# Altium PCB MPPT.PcbDoc (part 1 of 2)
Units mil, origin at the board's own origin, x right, y up, seen from the top; angles counter-clockwise.
Board outline 7295 x 4725 mil, 4 copper layers (Top, PWR_GND, GND, Bottom), stack 23.712 mil thick; 127 components, 78 nets, 435 pads, 134 vias.
Unrouted connection lines stored in the file: 11.
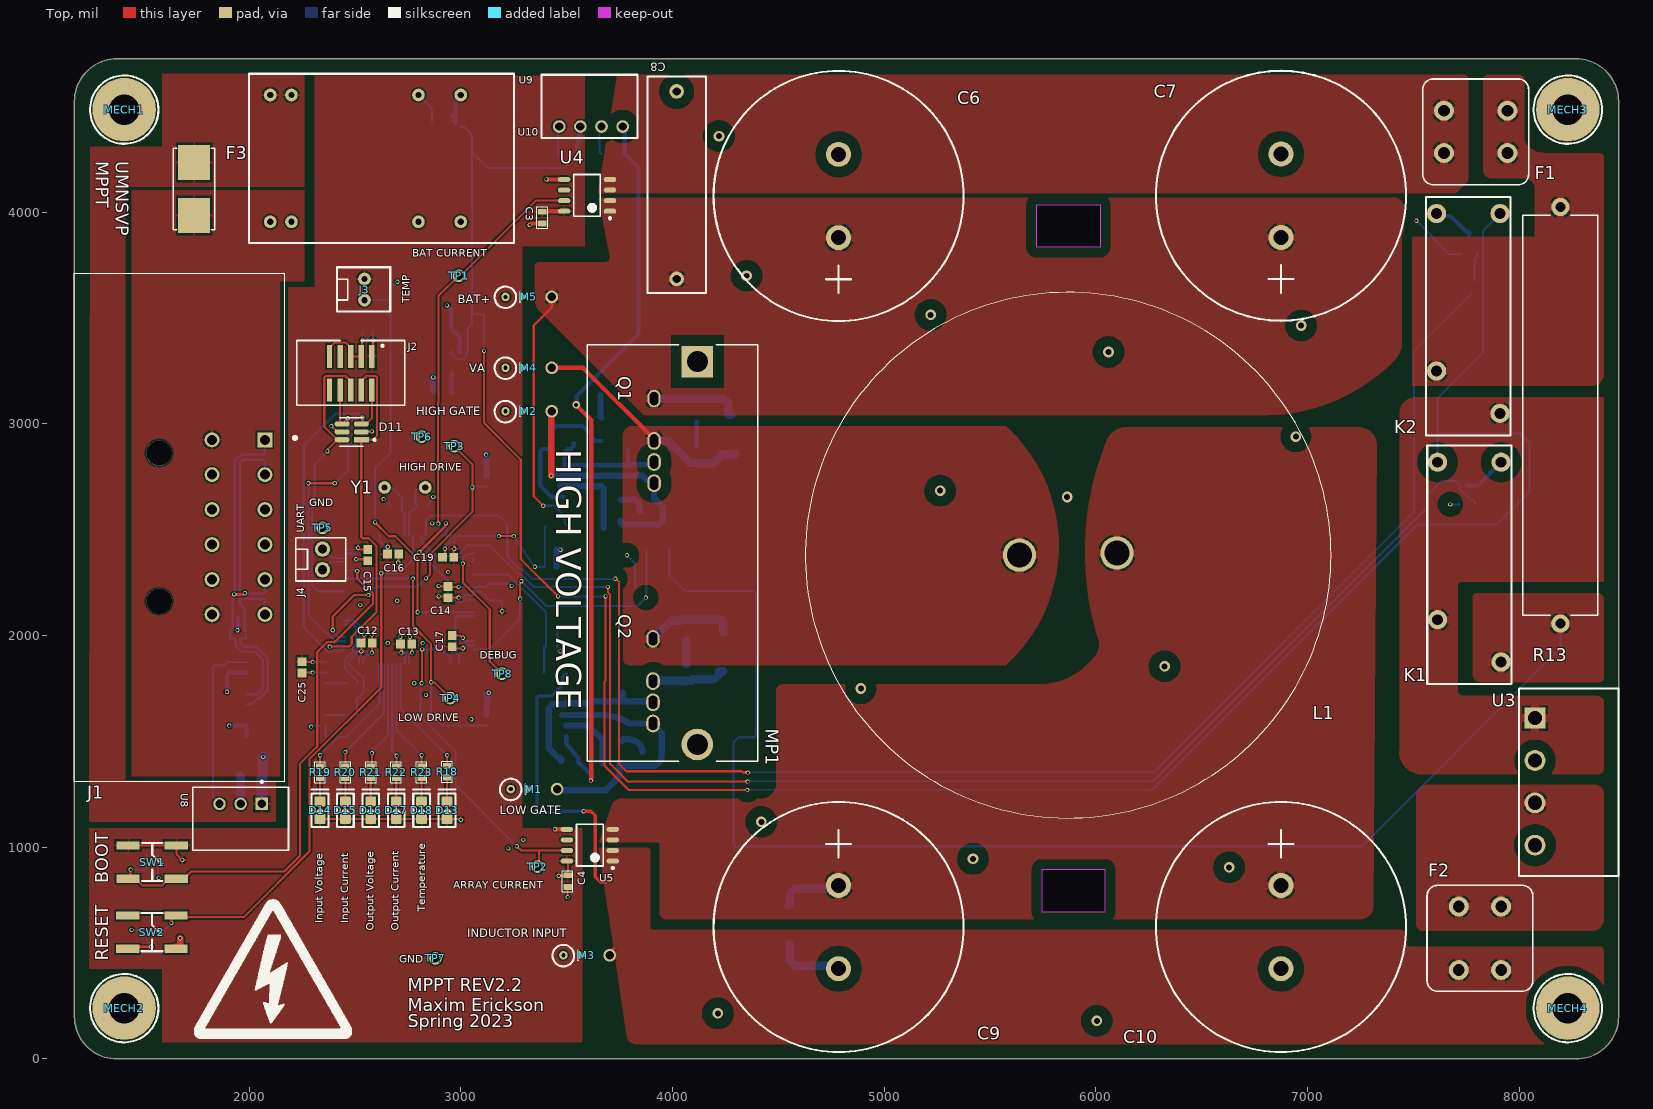
[diagram p0: Top view]
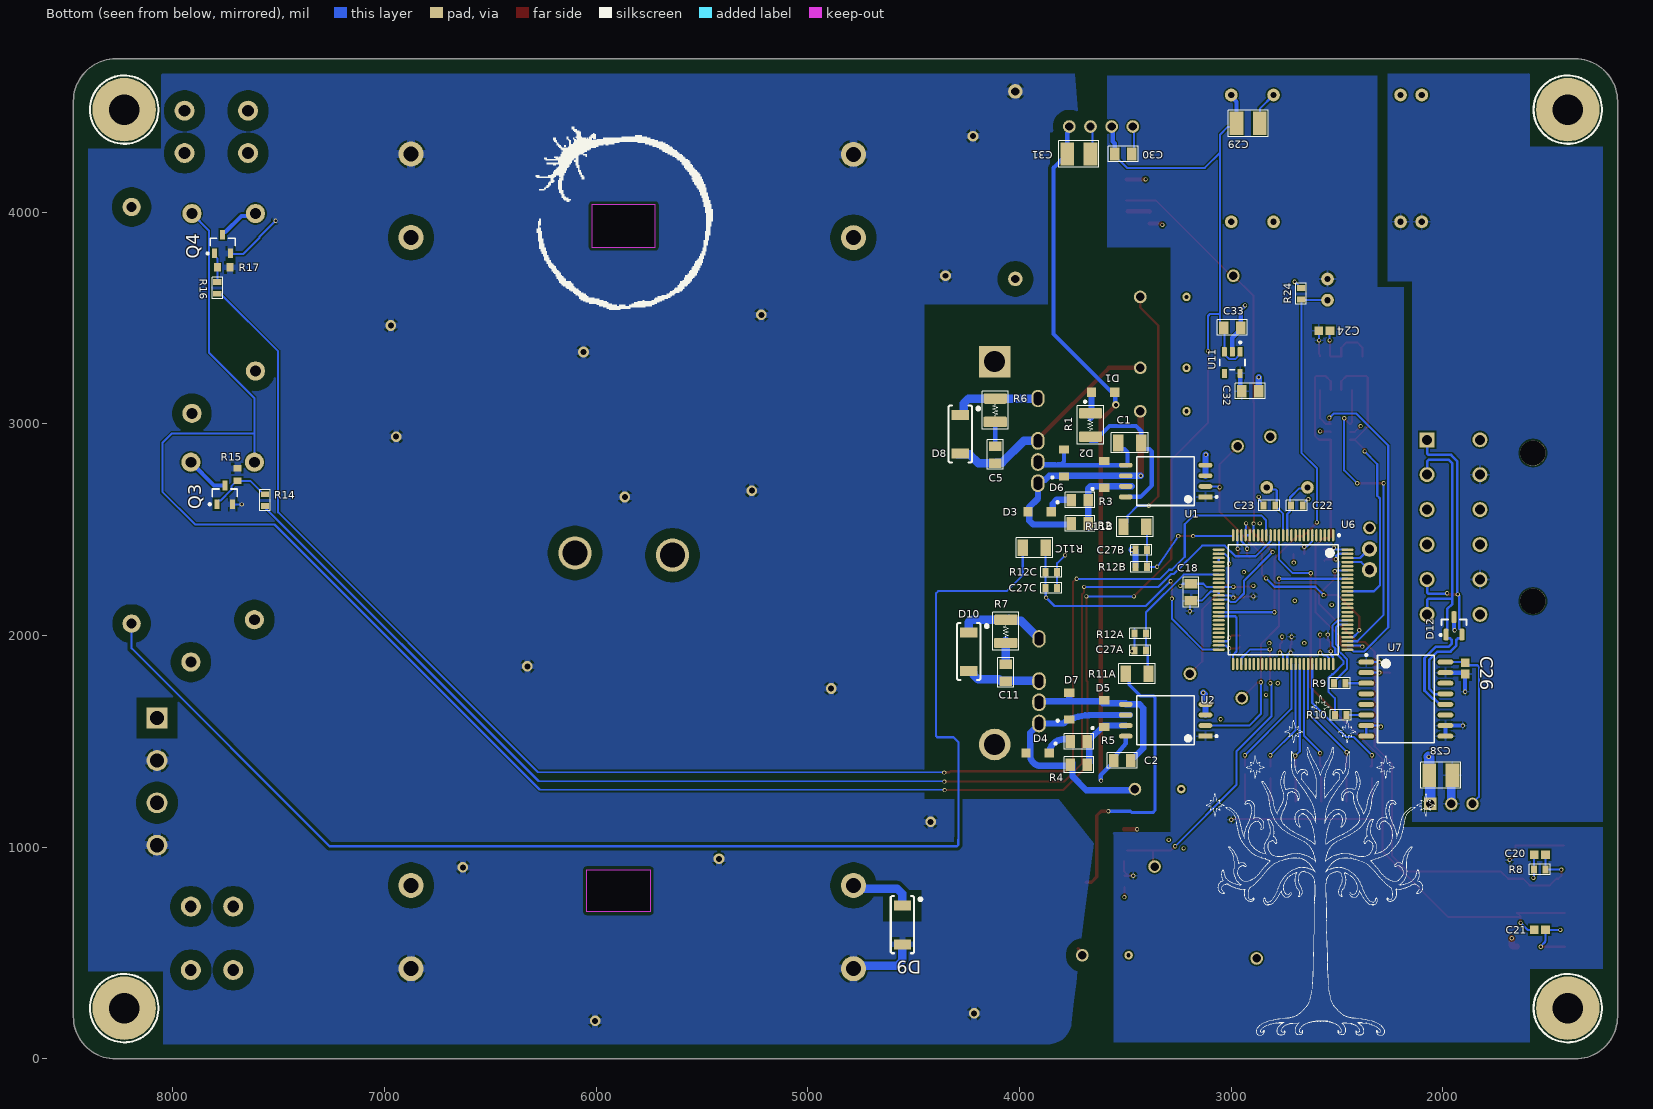
[diagram p1: Bottom view, seen from below]
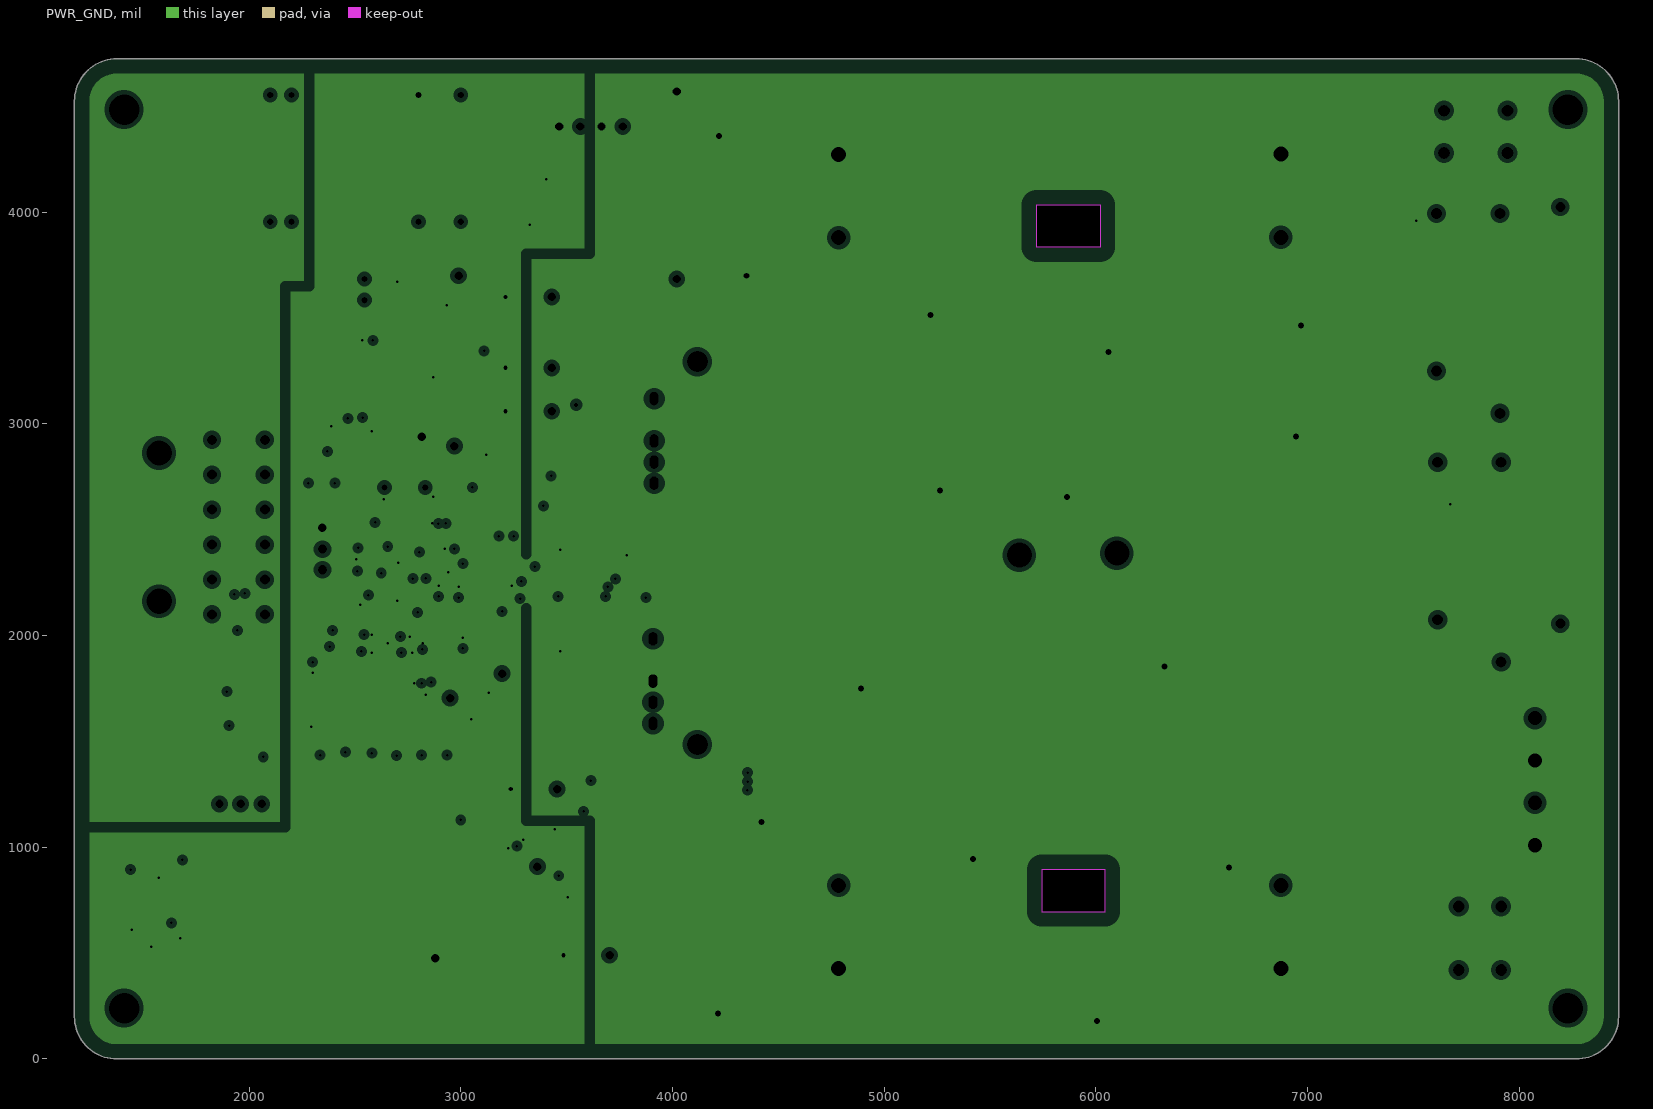
[diagram p2: PWR_GND, clearances drawn from the general rule]
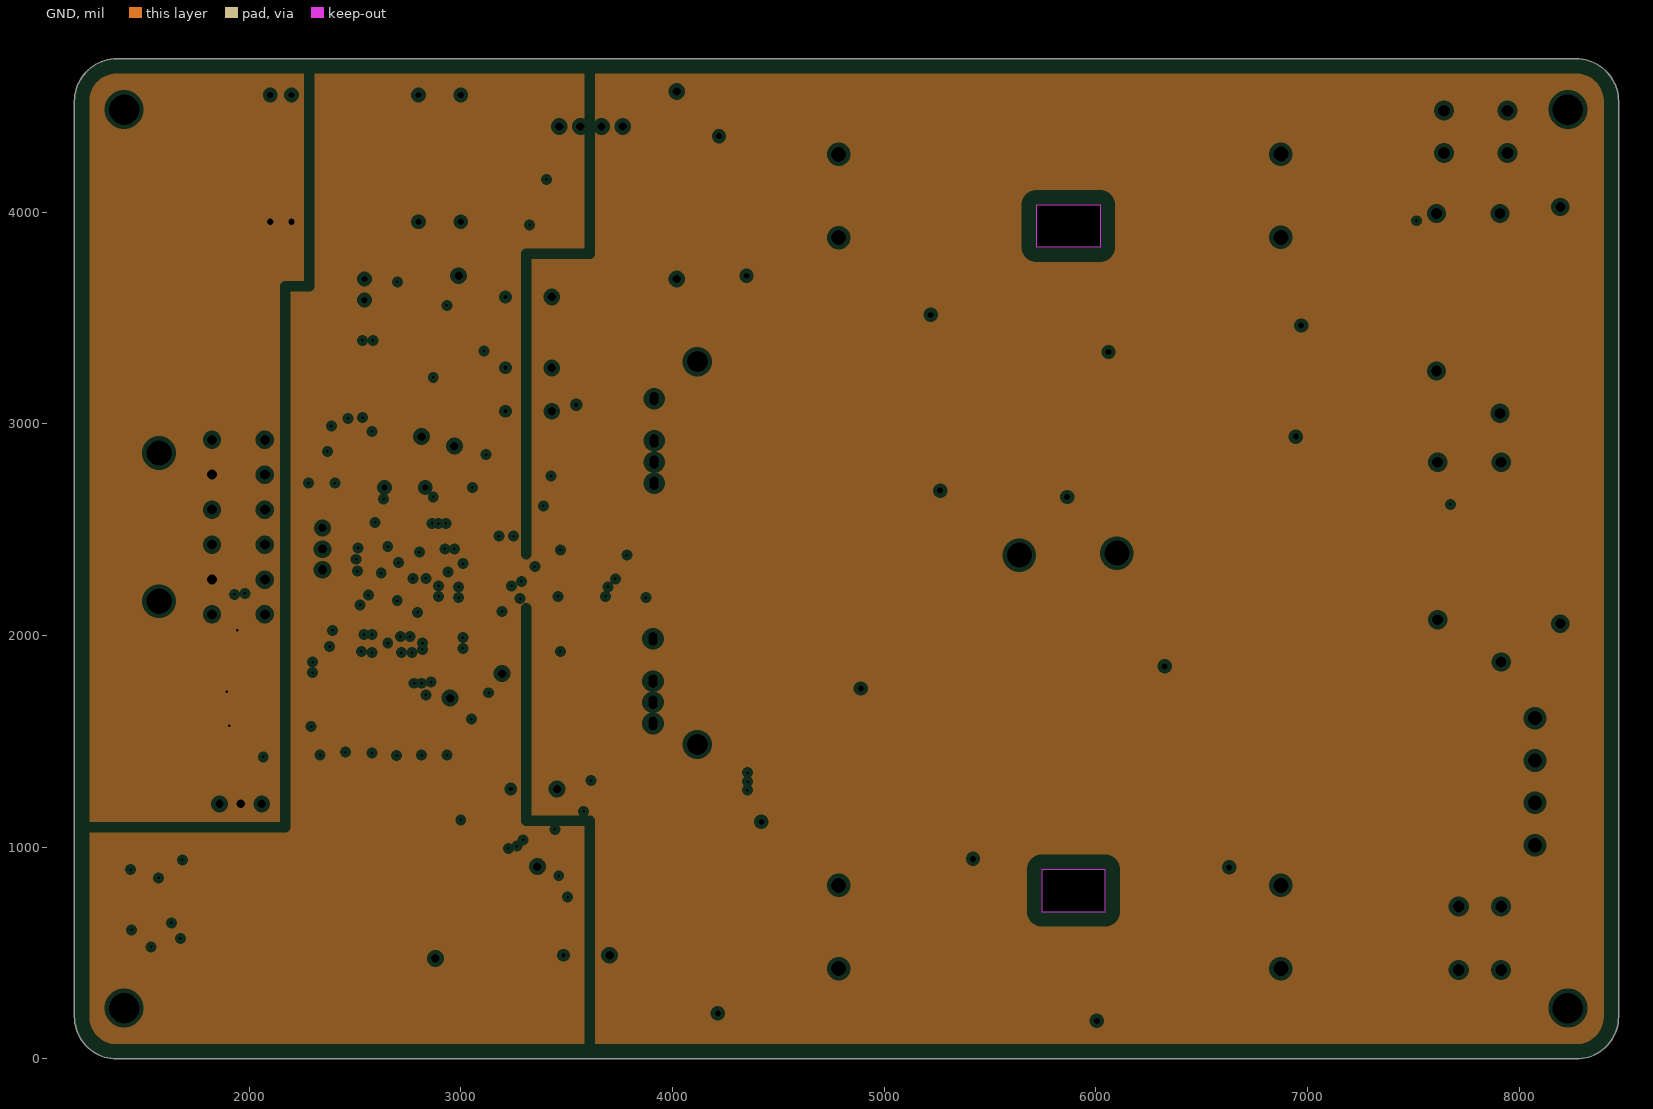
[diagram p3: GND, clearances drawn from the general rule]
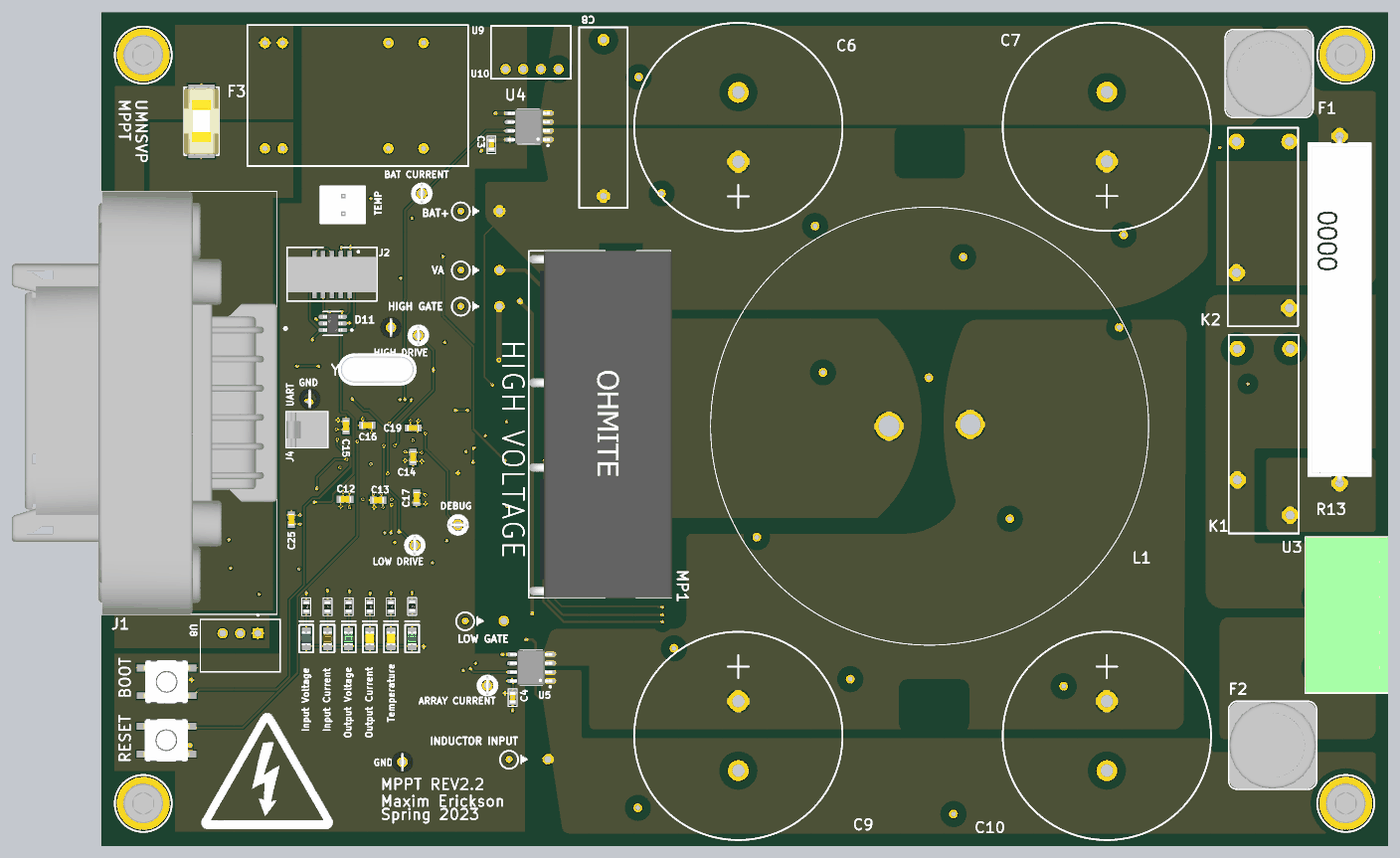
[diagram p5: 3D render of the assembled board from above, using the file's embedded part models]
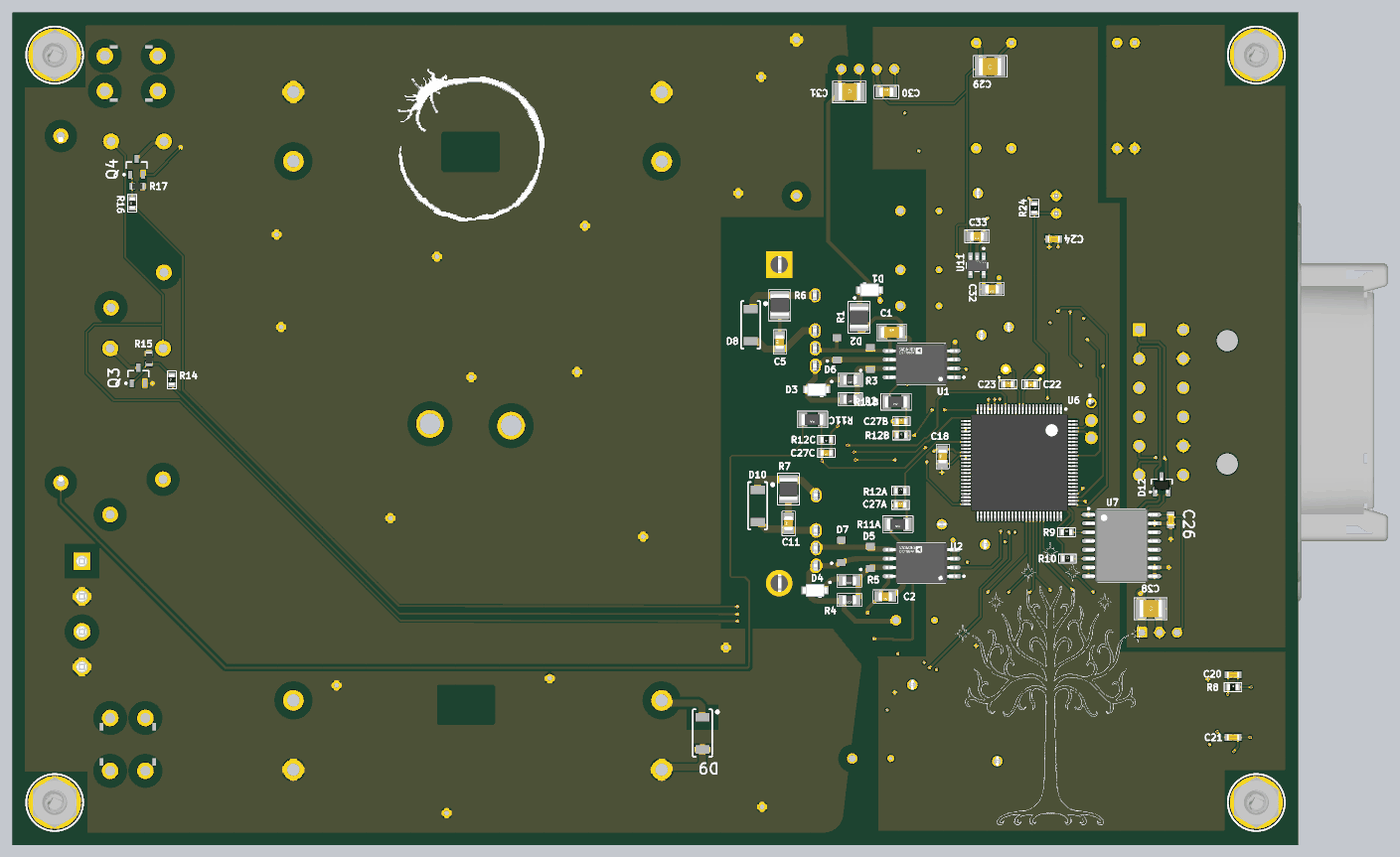
[diagram p6: 3D render of the assembled board from below, using the file's embedded part models]

## Layer stack, top to bottom
Top Solder: solder mask 0.4, Solder Resist, Dk 3.5
Top: signal copper 1.378
Dielectric 2: prepreg 2.8, PP-006, Dk 4.1
PWR_GND: plane copper 1.378, net GND
Dielectric 3: prepreg 2.8, PP-006, Dk 4.1
GND: plane copper 1.378, net CAR_GND
Dielectric 1: dielectric 12.6, FR-4, Dk 4.8
Bottom: signal copper 1.378
Bottom Solder: solder mask 0.4, Solder Resist, Dk 3.5

## Board outline
1175,200 ccw(c1375,200) 1375,0 1370,0 8270,0 ccw(c8270,200) 8470,200 8470,4525 ccw(c8270,4525) 8270,4725 1375,4725 ccw(c1375,4525) 1175,4525
cut-out: 5720,3835 5720,4035 6020,4035 6020,3835
cut-out: 5745,895 5745,695 6045,695 6045,895

## Design rules (kind name [scope] priority, off if disabled: settings)
BoardOutlineClearance [OnLayer('Top') OR OnLayer('Bottom') OR OnLayer('PWR_GND') Or OnLayer('GND')] p1: gap=40 ignorepadtopadclearanceinfootprint=FALSE except(15: Poly-CavityEdge Poly-CutoutEdge)
Clearance HAL_SENSE [InNet('inductor_input') OR InNet('boost_output') vs InNet('Array_Measure') OR InNet('NetF1_1')] p1: gap=7 ignorepadtopadclearanceinfootprint=TRUE
Clearance "HV clearence" [InNetClass('HV')] p2: gap=49.21 ignorepadtopadclearanceinfootprint=TRUE except(7.87: Arc-Text Track-Text SMDPad-Text THPad-Text Via-Text Fill-Text Poly-Text Region-Text Text-Text Text-Hole; 15.75: Arc-Arc Arc-Track Arc-SMDPad Arc-THPad Arc-Via Arc-Fill Arc-Poly Arc-Region Arc-Hole Track-Track Track-SMDPad Track-THPad Track-Via Track-Fill Track-Poly Track-Region Track-Hole SMDPad-Hole THPad-Hole Via-Hole Fill-Hole Poly-Hole Region-Hole)
Clearance "MV clearence" [InNetClass('MV')] p3: gap=9.84 ignorepadtopadclearanceinfootprint=TRUE
Clearance "LV clearence" [All] p4: gap=7 ignorepadtopadclearanceinfootprint=TRUE
ComponentClearance "FET Clearance" [InComponent('Q1') OR InComponent('Q2') vs InComponent('MP1')] p1: gap=0 collisioncheckmode=3 verticalgap=0 showdistances=FALSE
ComponentClearance [All] p2: gap=10 collisioncheckmode=3 verticalgap=10 showdistances=FALSE
DiffPairsRouting [All] p1: maxlimit=10 minlimit=10 mostfreqgap=10 toplayer_minwidth=15 toplayer_maxwidth=15 toplayer_prefwidth=15 bottomlayer_minwidth=12 bottomlayer_maxwidth=15 bottomlayer_prefwidth=15 maxuncoupledlength=750
Height [All] p1: minheight=0 maxheight=10000 prefheight=500
PlaneClearance HAL_PINS [IsNamedPolygon('ARRAY_HAL_OUT') OR IsNamedPolygon('BAT_HAL_OUT') OR IsNamedPolygon('BAT_HAL_IN') OR IsNamedPolygon('ARRAY_HAL_IN')] p1: clearance=10
PlaneClearance "HV Clearance" [InNetClass('HV')] p2: clearance=50
PlaneClearance "LV Clearance" [All] p3: clearance=20
PlaneConnect "High Current Plane Connect" [InNet('GND') AND InComponent('Q2')] p1: planeconnectstyle=Relief reliefexpansion=20 reliefentries=4 reliefconductorwidth=50 reliefairgap=10
PlaneConnect [All] p2: planeconnectstyle=Relief reliefexpansion=20 reliefentries=4 reliefconductorwidth=10 reliefairgap=10
PolygonConnect HAL_CONNECT [IsNamedPolygon('ARRAY_HAL_IN') Or  IsNamedPolygon ('ARRAY_HAL_OUT') or IsNamedPolygon('BAT_HAL_OUT') or IsNamedPolygon('BAT_HAL_IN')] p1: thpad.connectstyle=Relief thpad.reliefconductorwidth=40 thpad.reliefentries=4 thpad.polygonreliefangle="90 Angle" thpad.airgapwidth=10 smdpad.connectstyle=Direct smdpad.reliefconductorwidth=60 smdpad.reliefentries=4 smdpad.polygonreliefangle="90 Angle" smdpad.airgapwidth=10 via.connectstyle=Relief via.reliefconductorwidth=10 via.reliefentries=4 via.polygonreliefangle="90 Angle" via.airgapwidth=10
PolygonConnect "Micro Connect" [InNet('+3.3') vs InComponent('U6')] p2: connectstyle=NoConnect reliefconductorwidth=10 reliefentries=4 polygonreliefangle="90 Angle" airgapwidth=10
PolygonConnect "High Current Connect" [All vs IsNamedPolygon('ARRAY+_L01_P088') Or IsNamedPolygon('BAT+_L01_P086') Or IsNamedPolygon('BATT_PROBE_L01_P071') Or IsNamedPolygon('BOOST_OUTPUT_L01_P069') Or IsNamedPolygon('INDUCTOR_INPUT_L01_P067') Or IsNamedPolygon('NETF1_2_L01_P084') Or IsNamedPolygon('NETK1_4_L01_P085') Or IsNamedPolygon('VA_L01_P065') Or   IsNamedPolygon('GND_L04_P091') Or  IsNamedPolygon('ARRAY_HAL_IN') Or  IsNamedPolygon ('ARRAY_HAL_OUT') or IsNamedPolygon('BAT_HAL_OUT') or IsNamedPolygon('BAT_HAL_IN') OR (InComponent('Q2') AND InNet('GND'))] p3: thpad.connectstyle=Relief thpad.reliefconductorwidth=40 thpad.reliefentries=4 thpad.polygonreliefangle="90 Angle" thpad.airgapwidth=10 smdpad.connectstyle=Relief smdpad.reliefconductorwidth=30 smdpad.reliefentries=4 smdpad.polygonreliefangle="90 Angle" smdpad.airgapwidth=10 via.connectstyle=Relief via.reliefconductorwidth=30 via.reliefentries=4 via.polygonreliefangle="90 Angle" via.airgapwidth=10
PolygonConnect [All] p4: connectstyle=Relief reliefconductorwidth=10 reliefentries=4 polygonreliefangle="90 Angle" airgapwidth=10
RoutingVias [All] p1: holewidth=11.81 width=19.68 viastyle="Through Hole" minholewidth=11.81 minwidth=19.68 maxholewidth=28 maxwidth=50
SilkToSolderMaskClearance [IsPad] p1: minsilkscreentomaskgap=5 clearancetoexposedcopper=TRUE
SolderMaskExpansion [All] p1: expansion=4 istentingtop=FALSE
UndershootFalling [All] p1: maximum=1.000
Width [All] p1: maxlimit=200 minlimit=10 preferedwidth=10 minimp=50.000000 maximp=50.000000 favimp=50.000000
24 further rules are at their usual default settings.

## Classes and differential pairs
component class U_UART: J4
component class "PreCharge Scalaing": C27C R11C R12C
channel class Voltage_Measurment: "Array Scaling" "Battery Scaling" "PreCharge Scalaing"
net class HV: +15 Array+ Array_Measure Bat+ boost_output Bootrstrap GDriveHigh GDriveLow HIGH_SIDE_GATE inductor_input KELVIN_SENSE_HIGH KELVIN_SENSE_LOW LOW_SIDE_GATE NetC5_2 NetC11_2 NetD1_1 NetD3_1 NetD4_1 NetF1_1 NetF1_2 NetK1_4 NetU1_6 VA
component class U_temp_measure: J3 R24
component class U_Power: C3 C4 C5 C6 C7 C8 C9 C10 C11 D8 D9 D10 debug F1 F2 L1 M3 M4 M5 MP1 Q1 Q2 R6 R7 TP1 TP2 U4 U5
component class U_MicroController: C12 C13 C14 C15 C16 C17 C18 C19 C20 C21 C22 C23 debug R8 SW1 SW2 TP3 TP4 TP5 TP6 TP7 TP8 U6 Y1
component class U_LVRegulation: C28 C29 C30 C31 C32 C33 F3 U8 U9 U10 U11
component class U_JTAG: C24 D11 J2
component class U_indicator_leds: D13 D14 D15 D16 D17 D18 R18 R19 R20 R21 R22 R23
component class U_hv_Isolation: K1 K2 Q3 Q4 R13 R14 R15 R16 R17
component class U_GateDriver: C1 C2 D1 D2 D3 D4 D5 D6 D7 M1 M2 R1 R2 R3 R4 R5 U1 U2
component class U_CanTrans: C25 C26 D12 R9 R10 U7
component class MPPT: J1 MECH1 MECH2 MECH3 MECH4 U3
component class "Battery Scaling": C27B R11B R12B
component class "Array Scaling": C27A R11A R12A
differential pair CAN: +CAN_P -CAN_N
